# Altium PCB LarixEDUV3b.PcbDoc (part 1 of 2) (continued)
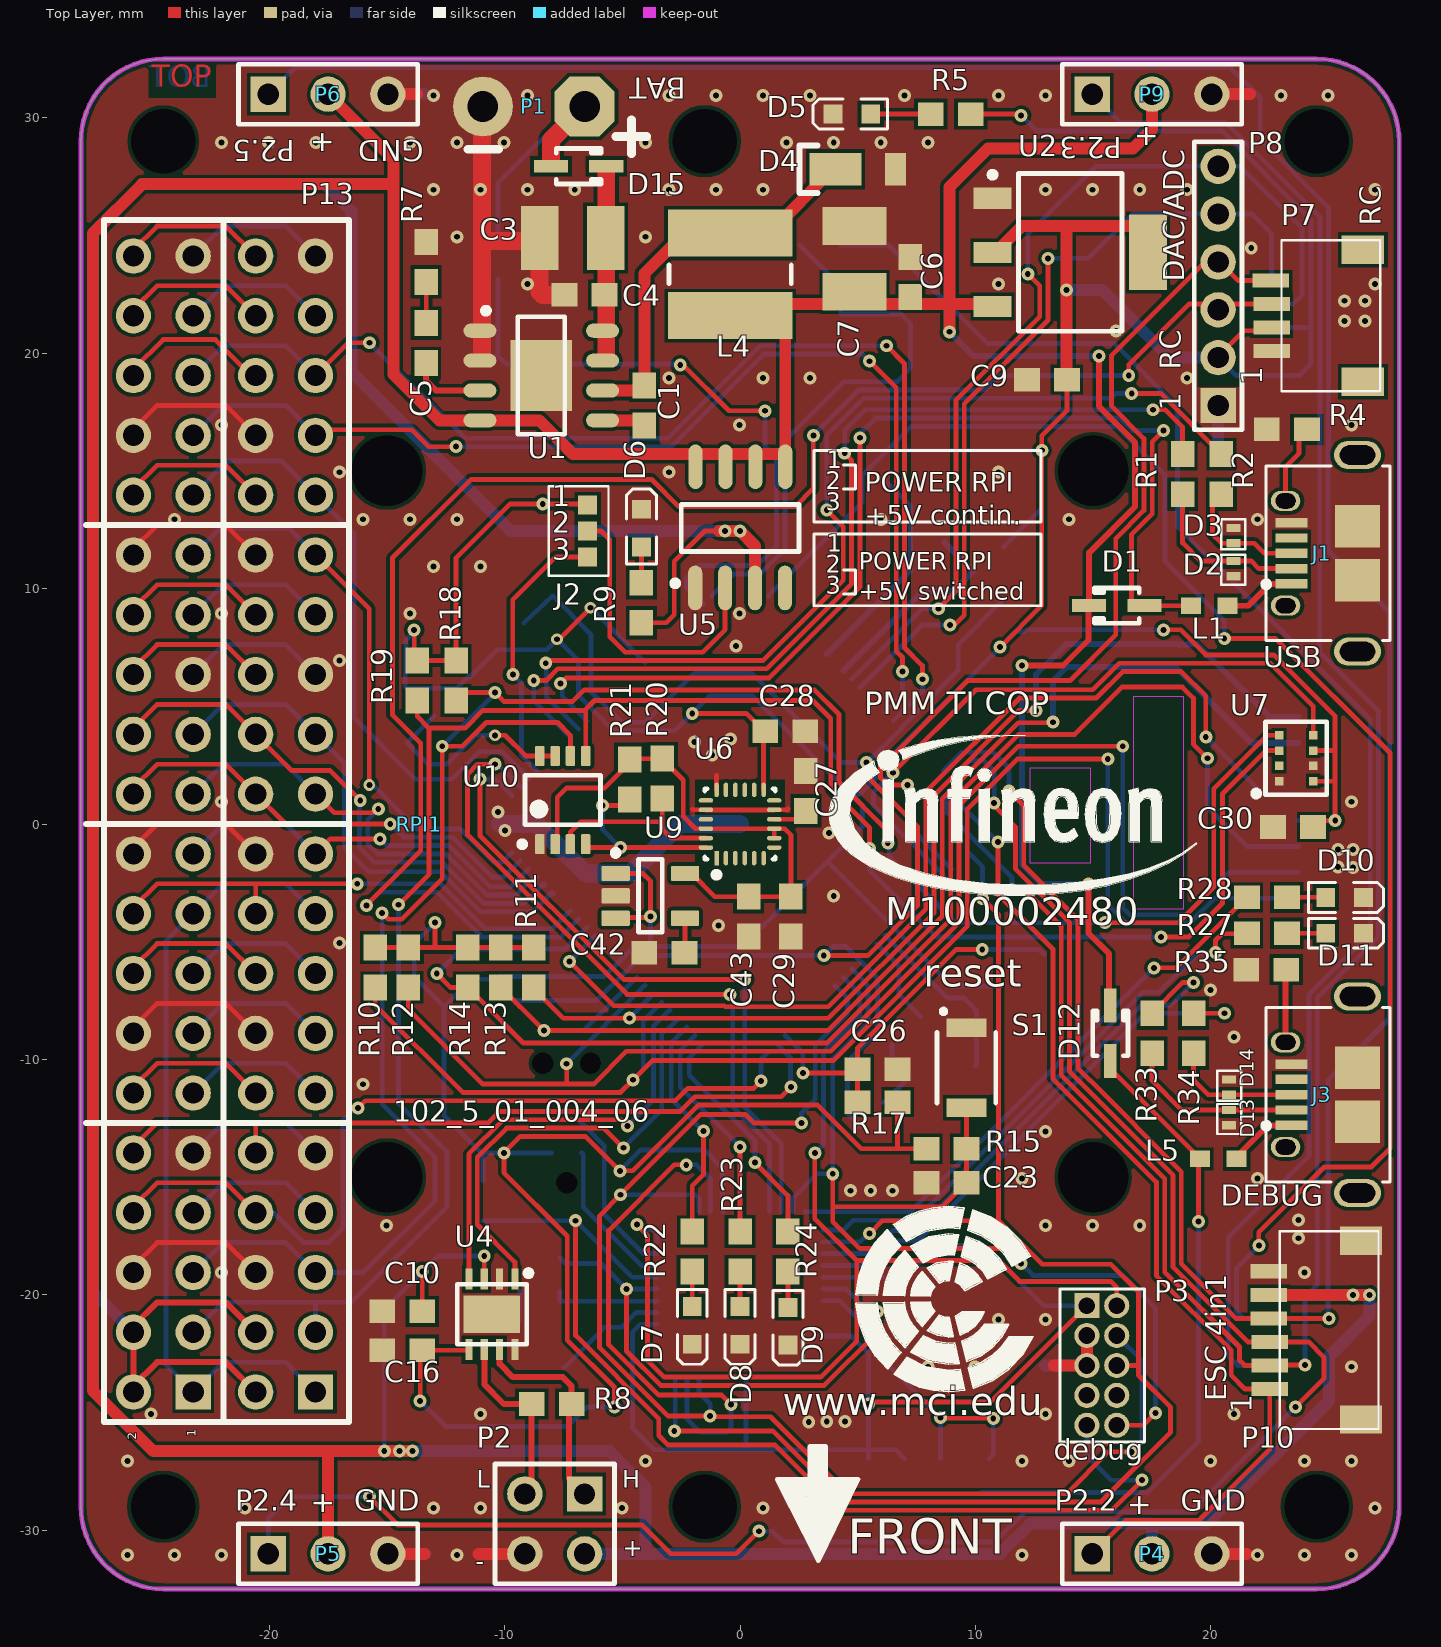
[diagram p0: Top Layer view]
## Footprints (in the part's own frame and the unit in brackets; to place one, negate y for a bottom-side part, rotate by r counter-clockwise, add the part's x,y. Pads: shape width x height; smd on the part's side, far side on the other; paste and mask are expansions set on the pad) (continued)
RPI_ZERO [mm] "RPI Zero / W"
  rect 1.5x1.5 hole 0.9: 1(4.87,21.73)
  round 1.5 hole 0.9: 2(4.87,24.27) 3(7.41,21.73) 4(7.41,24.27) 5(9.95,21.73) 6(9.95,24.27) 7(12.49,21.73) 8(12.49,24.27) 9(15.03,21.73) 10(15.03,24.27) 11(17.57,21.73) 12(17.57,24.27) 13(20.11,21.73) 14(20.11,24.27) 15(22.65,21.73) 16(22.65,24.27) 17(25.19,21.73) 18(25.19,24.27) 19(27.73,21.73) 20(27.73,24.27) 21(30.27,21.73) 22(30.27,24.27) 23(32.81,21.73) 24(32.81,24.27) 25(35.35,21.73) 26(35.35,24.27) 27(37.89,21.73) 28(37.89,24.27) 29(40.43,21.73) 30(40.43,24.27) 31(42.97,21.73) 32(42.97,24.27) 33(45.51,21.73) 34(45.51,24.27) 35(48.05,21.73) 36(48.05,24.27) 37(50.59,21.73) 38(50.59,24.27) 39(53.13,21.73) 40(53.13,24.27)
  round 0 hole 2.75: ""(0,23) ""(0,0) ""(58,0) ""(58,23)
  body extent 3.47,20.62 54.52,25.63, height 8.5
SM04B-SRSS-TB(LF)(SN) [mm]
  rect 0.6x1.55 smd: 1(-1.5,1.922) 2(-0.5,1.922) 4(1.5,1.954)
  rect 0.6x1.555 smd: 3(0.5,1.922)
  rect 1.2x1.8 smd: ""(-2.8,-1.953) ""(2.8,-1.953)
  silkscreen extent -3.2,-2.7 3.2,1.5, body extent -3,-2.7 3,2.25, height 2.9
SM06B-SRSS-TB(LF)(SN) [mm]
  rect 0.6x1.55 smd: 1(0,0) 2(1,0) 4(3,0.032) 5(4,0.032) 6(5,0.032)
  rect 0.6x1.555 smd: 3(2,0)
  rect 1.2x1.8 smd: ""(-1.3,-3.875) ""(6.3,-3.875)
  silkscreen extent -1.7,-4.62 6.7,-0.42, body extent -1.5,-4.6 6.5,0.35, height 2.9
"SMD 0603" [mm]
  rect 0.85x0.7 smd: 1(-0.775,0) 2(0.775,0)
  body extent -0.8,-0.4 0.8,0.4, height 0.79
SO_8 [mm]
  oval 1.9x0.6 smd: 1(-2.545,1.905) 2(-2.545,0.635) 3(-2.545,-0.635) 4(-2.545,-1.905) 5(2.601,-1.92) 6(2.601,-0.65) 7(2.601,0.62) 8(2.601,1.89)
  silkscreen extent -2.47,-2.5 1,2.88, body extent -3.07,-2.44 3.07,2.44, height 1.74
SOD-323 [mm]
  rect 1.45x0.55 smd: 1(1.175,0) 2(-1.175,0)
  silkscreen extent -0.95,-0.75 0.95,0.75
TagConnect_6pol [mm] "Conector ICD en placa"
  round 0.8 smd paste-0.4: 1(-1.27,-0.635) 2(-1.27,0.635) 3(0,-0.635) 4(0,0.635) 5(1.27,-0.635) 6(1.27,0.635)
  round 0.85 hole 0.9 unplated mask+0: ""(-2.54,0) ""(2.54,-1.016) ""(2.54,1.016)
  silkscreen extent -3.54,-1.8 3.5,1.8, body extent -3.54,-1.8 3.5,1.8
TDK_InvenSense_ICM-20948_0 [mm]
  rect 0.612x0.192 smd paste+0 mask+0: 1(-1.45,1)
  oval 0.612x0.192 smd paste+0 mask+0: 2(-1.45,0.6) 3(-1.45,0.2) 4(-1.45,-0.2) 5(-1.45,-0.6) 6(-1.45,-1) 13(1.45,-1) 14(1.45,-0.6) 15(1.45,-0.2) 16(1.45,0.2) 17(1.45,0.6) 18(1.45,1)
  oval 0.192x0.612 smd paste+0 mask+0: 7(-1,-1.45) 8(-0.6,-1.45) 9(-0.2,-1.45) 10(0.2,-1.45) 11(0.6,-1.45) 12(1,-1.45) 19(1,1.45) 20(0.6,1.45) 21(0.2,1.45) 22(-0.2,1.45) 23(-0.6,1.45) 24(-1,1.45)
  silkscreen extent -2.28,-1.5 1.5,1.5, body extent -1.86,-1.86 1.86,1.86, height 0.25
TSLP_2_17 [mm]
  rect 0.6x0.35 smd: 1(0,0.65) 2(0,0)
  silkscreen extent -0.51,-0.25 0.51,1.02
WE_TCP [mm]
  rect 2x5.3 smd: 1(-1.75,0) 2(1.75,0)
  silkscreen extent -0.4,-2.6 0.4,2.6, body extent -2.75,-2.65 2.75,2.66, height 2
WRTBL_2P_508 [mil]
  oct 100x100 hole 51.18: 1(820,-930)
  round 100 hole 51.18: 2(820,-760)

## Part data
C1 C2 C4 C5 C6 C8 C9 C10 C11 C12 C13 C14 C15 C16 C17 C18 C19 C20 C21 C22 C23 C24 C25 C26 C27 C28 C29 C30 C31 C32 C33 C34 C35 C36 C37 C38 C39 C40 C41 C42 C43 C44: library part Cap_129, mounting=SMD, Name=Cap_0603, QR=0, UID=Cap_129
C3 C7: library part Cap_65, Capacity=?F, Voltage=?V, mounting=SMD, Name=Cap_1210, UID=Cap_65
D1 D12 D15: "Silicon AF Schottky Rectifier Diode with Extreme Low VF Drop", PackageDocument=Sep-2000, ComponentLink1Description="Manufacturer Link", ComponentLink1URL=http://www.infineon.com/, ComponentLink2Description=Datasheet, ComponentLink2URL=http://www.infineon.com/upload/Document/cmc_upload/documents/081/715/bat60aseries_1.pdf, DatasheetDocument=Jan-1999, LatestRevisionDate=19-Mar-2004, LatestRevisionNote="Silkscreen size reduced.", PackageReference=SOD-323, Published=21-Mar-2003, Publisher="Altium Limited"
D2 D3 D13 D14: library part DIODE_69, "ESD101-B1-02ELS _E6327", mounting=SMD, Name=ESD, UID=DIODE_69
D4: library part DIODE_68, mounting=SMD, Name=DFLS240L-7, Type=Schottky, UID=DIODE_68
D5 D6 D7 D8 D9 D10 D11: library part DIODE_61, Colour=gruen, mounting=SMD, Name=LED_0603_gruen, Name_Hyperlink=http://at.rs-online.com/web/p/products/6973715P/, QR=0, RS_number=697-3715P, Type=LED, UID=DIODE_61
J1 J3: "WR-COM_USB_Micro Type AB_Horizontal_SMT", Manufacturer="Würth Elektronik eiSos GmbH", ComponentLink1 Description=Manufacturer, ComponentLink1URL=http://www.we-online.de, ComponentLink2 Description=Datasheet, ComponentLink2URL=http://katalog.we-online.de/em/datasheet/629105150921.pdf, Created by="Karrer Zheng", Created Date=10/23/2014, NoPins=5, partNo=629105150921
J2: library part Con_71, mounting=SMD, Name=Jumper_3pol, UID=Con_71
J4: library part Con_76, "Conector par ICD", mounting=SMD, Name=TagConnect_6pol, UID=Con_76
L1 L2 L3 L5: library part "WE-CBF 0603, 74279260", "SMD EMI Suppression Ferrite Beads WE-CBF, Z= 40 Ohm", Manufacturer="Würth Elektronik eiSos GmbH", partNo=74279260, ComponentLink1Description=Manufacturer, ComponentLink1URL=http://www.we-online.de, ComponentLink2Description=Datasheet, ComponentLink2URL=http://www.we-online.de/katalog/media/pdf/74279260.pdf, Created by="Christin Zierenner", Created Date="May 2009", Impedance="40 Ohm"
L4: library part Ind_42, "Inductor", Current=1.72, Inductivity=4u7, ComponentLink1URL=http://at.rs-online.com/web/p/drahtgewickelte-smd-induktivitaten/6170925/, mounting=SMD, Name=IND_4u7_1A72, Name_Hyperlink=http://at.rs-online.com/web/p/drahtgewickelte-smd-induktivitaten/6170925/, QR=0, RS_number=617-0925, UID=Ind_42, Wuerth_number=744042004
P1: library part Con_7, ComponentLink1URL=http://at.rs-online.com/web/search/searchBrowseAction.html?method=getProduct&R=1930586, mounting=THT, Name=WRTBL_2P_508, Name_Hyperlink="Printklemme 5,08mm 2-polig", Pins=2, QR=0, RS_number=193-0586, UID=Con_7
P2: library part Con_45, mounting=THT, Name="Header 2X2", Pins=2X2, QR=0, UID=Con_45
P3: "Header, 5-Pin, Dual row", LatestRevisionDate=17-Jul-2002, LatestRevisionNote="Re-released for DXP Platform.", Publisher="Altium Limited"
P4 P5 P6 P9: library part Con_33, mounting=THT, Name="Header 3", Pins=1X3, QR=0, UID=Con_33
P7 P11 P12: library part Con_80, mounting=SMD, Name=STJ_SH_4pol, UID=Con_80
P8: library part Con_36, mounting=THT, Name="Header 6", Pins=1X6, QR=0, UID=Con_36
P10: library part Con_82, mounting=SMD, Name=STJ_SH_06pol, UID=Con_82
P13: library part Con_86, mounting=THD, Name=Header_20X2, UID=Con_86
Q1 Q2: library part NX3225_2
R1 R2 R3 R4 R5 R6 R7 R8 R9 R10 R11 R12 R13 R14 R15 R16 R17 R18 R19 R20 R21 R22 R23 R24 R25 R26 R27 R28 R29 R30 R31 R32 R33 R34 R35 R36: library part Res_5, mounting=SMD, Name=Res_0603, UID=Res_5
  R5 R9 R10 R11 R12 R13 R14 R17: ComponentLink1URL=#WERT!
RPI1: library part Misc_46, mounting=THT, Name=RPI_Zero, UID=Misc_46
S1: library part Misc_47, ComponentLink1URL=https://at.rs-online.com/web/p/products/419867, mounting=SMD, Name=Pushbutton_B3U-1000P, Name_Hyperlink=https://at.rs-online.com/web/p/products/419867, RS_number=419-867, UID=Misc_47
U1: library part Source_52, mounting=SMD, Name=IFX91041, UID=Source_52
U2: "Voltage Regulator, 4.55 to 15 V Operating, 1000 mA, -40 to 125 degC, PG-SOT223 (SC-73), Reel, Green", Dropout Voltage="1200 mV", Manufacturer=Infineon, Max. Output Current="1000 mA", Max Peak Reflow Temp="260 degC", Output Voltage="3.3 V", Supplier Part Number 1=726-IFX1117MEV33, Typical Quiescent Current="5000 uA", Accuracy="2.0 %", Automotive Qualified=FALSE, ComponentLink1Description="Manufacturer URL", ComponentLink1URL=http://www.infineon.com/, ComponentLink2Description=Datasheet, ComponentLink2URL=http://www.infineon.com/dgdl/IFX1117ME+V33.pdf?folderId=db3a304318f3fe290118f5a433570040&fileId=db3a30432e779412012e9097d1611987, ComponentLink3Description="Package Specification", ComponentLink3URL=http://www.infineon.com/dgdl/SOT223-Package_Overview.pdf?folderId=db3a30431936bc4b0119530470b03c3d&fileId=db3a30431936bc4b0119531d40b93c5c, DatasheetVersion="Rev. 1.0", Green=TRUE, Max Number Reflow=3, Mounting Technology="Surface Mount", MSL=1, PackageDescription="4-Pin Small Outline Transistor Package, 6.5 x 3.5 mm Body, 2.3 mm Pitch", PackageReference="PG-SOT223 (SC-73)", PackageVersion=Apr-08, Packing=Reel, PartNumber="IFX1117ME V33", Regulator Type="Linear->single output", Reset=FALSE, Status Output=FALSE, Supplier 1=Mouser, Supplier 2=Digi-Key, Supplier 3=Digi-Key, Supplier 4=Digi-Key, Supplier Part Number 2="IFX1117ME V33TR-ND", Supplier Part Number 3="IFX1117ME V33CT-ND", Supplier Part Number 4="IFX1117ME V33DKR-ND"
U3: library part IC_116, "XMC4000 Family Microcontroller for Industrial Applications, ARM® Cortex™-M4, 32-bit processor coreFlash 2048 Kbytes,SRAM 352 Kbytes (Temperature Range -40°C to 125°C)", Manufacturer="Infineon Technologies", ManufacturerPartNumber=XMC4700-F100K2048, mounting=SMD, Name=XMC4700-F100K2048, PackageReference=PG-LQFP-100-11, UID=IC_116
U4: library part IC_117, mounting=SMD, Name=IFX1051, UID=IC_117
U5: library part IC_102, ComponentLink1URL=https://at.rs-online.com/web/p/intelligente-leistungsschalter/1107158/?searchTerm=ITS4060S-SJ-N&relevancy-data=636F3D3226696E3D4931384E4B6E6F776E41734D504E266C753D6465266D6D3D6D61746368616C6C7061727469616C26706D3D5E5B5C707B4C7D5C707B4E647D2D2C2F255C2E5D2B, IC_description=https://www.infineon.com/dgdl/Infineon-ITS4060S_SJ_N_01092012S-DS-v01_00-en.pdf?fileId=db3a304339dcf4b1013a0137d230573b, mounting=SMD, Name=ITS4060S_SJ_N, Name_Hyperlink=https://at.rs-online.com/web/p/intelligente-leistungsschalter/1107158/?searchTerm=ITS4060S-SJ-N&relevancy-data=636F3D3226696E3D4931384E4B6E6F776E41734D504E266C753D6465266D6D3D6D61746368616C6C7061727469616C26706D3D5E5B5C707B4C7D5C707B4E647D2D2C2F255C2E5D2B, RS_number=110-7158, UID=IC_102
U7: library part IC_107, "Digital Barometric Pressure Sensor for Portable Devices", Manufacturer="Infineon Technologies", ManufacturerPartNumber=DPS310, mounting=SMD, Name=DPS422, PackageReference=LGA-8, UID=IC_107
U8: "80 MHz XMC4200 MCU with 256 KByte Program Memory, 40 KByte SRAM, 3.3 V, -40 to 125 degC, PG-VQFN-48, Green", Manufacturer=Infineon, A / D input lines (incl. FADC)=8, ComponentLink1Description="Manufacturer URL", ComponentLink1URL=http://www.infineon.com, ComponentLink2Description=Datasheet, ComponentLink2URL=http://www.infineon.com/dgdl/xmc4100_xmc4200_ds_v0.6_2012_11.pdf?folderId=db3a30433580b3710135a47f3eb76c98&fileId=db3a30433afc7e3e013b3cf9b2816573&location=en.Products.Microcontrollers.32-bit_Industrial_Microcontrollers_based_on_ARM__Cortex_-M.32-bit_XMC4000_Industrial_Microcontrollers_ARM__Cortex_-M4.DATASHEET.xmc4100_xmc4200_ds_v0.6_2012_11.pdf, ComponentLink3Description="Package Specification", ComponentLink3URL=http://www.infineon.com/dgdl/PG-VQFN-48-15%2C-19%2C-20%2C-22%2C-24%2C-48%2C-51%2C-52%2C-53%2C-54%2C-55%2C-56%2C-57-Package_Overview.pdf?folderId=db3a304319c6f18c0119e80a8f2559bf&fileId=db3a304319c6f18c011a0b8b18c33200, DatasheetVersion=V0.6, Digital I/O Lines=21, Halogen-free=TRUE, Mounting Technology="Surface Mount", PackageDescription="48-Pin Plastic (Green) Very Thin Profile Quad Flat Non Leaded Package, 7 x 7 mm Body, 0.5 mm Pitch", PackageReference=PG-VQFN-48-53, PackageVersion=V0.6, PartNumber="XMC4200-Q48K256 AB", Program Memory="256.0 KByte", SRAM (incl. Cache)="40.0 KByte", Type of Serial I/O Interfaces="4xSPI, Dual SPI, Quad SPI, UART, LIN, IIC, IIS"
U9: "Single Output Low Noise LDO, 150 mA, Fixed 1.8 V Output, 1.5% Tolerance, 2.2 to 16 V Input, Low IQ, 5-Pin SOT-23 (DBV), -40 to 125 degC, Green (RoHS & no Sb/Br), Tape and Reel", Manufacturer="Texas Instruments", Operating Temperature Range (degC)="-40 to 125", Accuracy (%)=1.5, ComponentLink1Description="Manufacturer URL", ComponentLink1URL=http://www.ti.com/, ComponentLink2Description=Datasheet, ComponentLink2URL=http://www.ti.com/lit/ds/symlink/lp2985-50.pdf, ComponentLink3Description="Package Specification", ComponentLink3URL=http://www.ti.com/litv/pdf/mpds018j, DatasheetVersion=SLVS522N, Fixed Output Options (V)=1.8, Iout (Max) (A)=0.15, Iq (Typ) (mA)=0.85, Mounting Technology="Surface Mount", Output Options="Fixed Output", PackageDescription="5-Pin Plastic Small Outline, Body 2.9 x 1.6 mm, Pitch 0.95 mm", PackageReference=DBV0005A, PackageVersion=4073253-4/L, Packing="Tape and Reel", PartNumber=LP2985-18DBVR, RoHS=TRUE, Vdo (Typ) (mV)=280, Vin (V)="2.2 to 16"
U10: "Dual Bi-Directional I2C-Bus and SMBus Voltage Level-Translator, 0 to 5.5 V, -40 to 85 degC, 8-pin SM8 (DCT), Green (RoHS & no Sb/Br)", 5V Tolerant I/O=Yes, Manufacturer="Texas Instruments", Max Frequency(kHz)=400, On-Chip Power-on-Reset=No, Rating=Catalog, Code_JEDEC=MO-187-DA, ComponentLink1Description=Datasheet, ComponentLink1URL=http://www.ti.com/general/docs/lit/getliterature.tsp?genericPartNumber=PCA9306&fileType=pdf, ComponentLink2Description="Package Specification", ComponentLink2URL=http://www.ti.com/litv/pdf/mpds049b, DatasheetVersion=SCPS113J, Eco-Plan="Green (RoHS & no Sb/Br)", Enable Pin=Yes, fSCLK(Max)(MHz)=400, Function="Voltage Translator", Mounting Technology="Surface Mount", No. of Outputs=2, Open Drain I/O Type=Yes, PackageDescription="8-Pin Thin Small Outline Package 3 x 2.8 mm Body ,0.65 mm Pitch", PackageReference=DCT0008A, PackageVersion="revC, Sep-2002", PartNumber=PCA9306DCTR, SubFamily="I2C Special Function", tpd max(ns)=1.5, Vcc range(V)="0 to 5.5"
X1: library part Misc_48, "CONN MICRO SD CARD PUSH-PUSH R/A", Supplier Part Number 1=101-00660-68-6-1-ND, mounting=SMD, Name=MicroSD_DM3D, Name_Hyperlink=https://at.rs-online.com/web/p/speicher-und-sim-karten-steckverbinder/7388809/, RS_number=738-8809, Supplier 1=Digi-Key, UID=Misc_48

## Free pads (board coordinates)
  round 0 hole 3: ""(-15,-15) ""(-15,15) ""(15,-15) ""(15,15)
  round 0 hole 2.75: ""(24.5,-29) ""(24.5,29)

## Via types
v1: diameter 0.55, hole 0.25, Top Layer to Bottom Layer, tented both sides, 269 vias
v2: diameter 0.5, hole 0.25, Top Layer to Bottom Layer, tented both sides, 4 vias

## Nets (pads, with @x,y where several pads share a name; then routed paths per layer and width w, separated by ;. In a path a pad name is that pad's centre, name@x,y a point inside that pad or via, vN(x,y) a via of type N, cw(c..) or ccw(c..) an arc to the next point about the centre after c; other vN are vias at no path point)
+1V8: C29.1 C43.1 R20.2 R21.2 U6.8 U6.9 U6.22 U9.5 U10.2 | length 23
  Top Layer w0.203: U10.2@-7.857,-0.859 -7.77,-0.772 -7.77,1.134 -7.369,1.535 -5.757,1.535 -4.522,2.77 -3.314,2.77 -2.413,1.869 -2.413,0.319 -1.894,-0.2 U6.22@-1.45,-0.2 U6.9@1.45,-0.2 ; R20.2@-3.599,3.08 R20.2@-3.302,2.782 ; U9.5@-2.335,-2.102 -2.06,-2.102 -1.075,-3.087 C43.1@0.363,-3.087 1.778,-3.087 2.159,-2.706 2.159,-0.454 1.905,-0.2 U6.9@1.45,-0.2 ; U6.8@1.45,-0.6 U6.9@1.45,-0.2
+3V3: C9.2 C16.1 C18.1 C19.1 C20.1 C21.1 C22.1 C28.1 C30.1 C37.2 C38.2 C39.2 C40.2 C41.2 J2.1 J4.1 L2.2 L3.2 P3.1 P7.2 P8.2 P12.3 R5.1 R10.2 R11.2 R12.2 R13.2 R14.2 R15.2 R17.2 R18.2 R19.2 R30.1 R36.2 U2.2 U2.4 U3.11 U3.17 U3.43 U3.60 U3.87 U4.5 U6.13 U7.6 U7.8 U8.5 U8.10 U8.18 U8.28 U8.41 U9.1 U9.3 X1.4 | length 331.9
  Top Layer w0.203: R10.2@-15.494,-5.246 R12.2@-14.097,-5.246 -12.954,-5.246 ; v1(-13.843,8.248) -13.843,7.073 R19.2@-13.716,6.946 R18.2@-12.065,6.946 -12.065,11.303 -9.779,13.589 v1(-8.382,13.589) -6.52,13.589 J2.1@-6.477,13.546 ; v1(-13.589,-24.511) -13.589,-22.44 C16.1@-13.501,-22.352 -11.54,-22.352 U4.5@-11.516,-22.328 ; v1(-12.954,-4.191) -12.954,-5.246 ; R11.2@-8.763,-5.246 R13.2@-10.16,-5.246 R14.2@-11.563,-5.246 -12.954,-5.246 ; v2(-7.773,7.848) -7.687,7.848 v2(-6.35,9.185) ; v1(-5.334,-24.765) -5.334,-23.93 -7.338,-21.926 -7.338,-17.502 -10.033,-14.807 v1(-10.033,-13.97) -9.332,-13.269 -6.57,-13.269 v1(-5.107,-14.732) -4.563,-14.732 -1.769,-11.938 3.302,-11.938 5.157,-13.793 6.731,-13.793 ; U9.3@-5.285,-4.002 -5.252,-3.97 -3.843,-3.97 v1(-3.81,-3.937) -3.81,-2.417 -4.125,-2.102 U9.1@-5.285,-2.102 ; v1(-2.032,4.699) 0.258,4.699 1.02,3.937 C28.1@1.07,3.937 1,3.867 U6.13@1,1.45 ; v1(5.461,-24.638) 5.548,-24.551 10.641,-24.551 P3.1@14.732,-20.46 ; R17.2@6.692,-11.811 6.692,-13.754 6.731,-13.793 ; R15.2@7.913,-13.793 6.731,-13.793 ; R5.1@9.799,30.158 11.879,30.158 v1(11.938,30.099) ; v1(11.049,7.513) 12.818,9.283 v1(12.818,15.875) 12.818,16.487 13.885,17.553 C9.2@13.885,18.646 ; U2.4@17.35,24.175 U2.4@17.35,24.975 ; v1(17.992,8.248) 18.71,8.248 19.775,7.183 22.674,7.183 25.273,4.584 25.273,3.175 ; P8.2@20.309,19.812 20.309,19.877 21.387,20.955 22.443,20.955 P7.2@22.578,21.09 ; C30.1@24.345,-0.127 24.614,0.142 v1@25.273,0.142 ; U7.8@24.347,1.819 25.273,1.819 ; U7.6@24.347,3.119 25.217,3.119 25.273,3.175 ; v1(25.281,0.15) v1@25.273,0.142 ; v1@25.273,0.142 25.273,1.819 ; 25.273,1.819 25.273,3.175
  Top Layer w0.508: U2.2@10.75,24.175 11.972,25.397 13.87,25.397 ; C9.2@13.885,18.646 C9.2@13.885,18.874 13.87,18.889 v1(13.87,22.682) 13.87,25.397 ; U2.4@17.35,24.975 17.35,25.397 13.87,25.397
  Bottom Layer w0.203: v1(-13.843,8.248) -13.843,8.168 -14.19,7.821 -14.19,6.437 -14.225,6.401 -14.225,5.838 R36.2@-14.19,5.802 -14.155,5.767 -12.026,5.767 -11.499,6.293 C22.1@-11.464,6.258 ; v1(-13.589,-24.511) -12.507,-25.593 -7.344,-25.593 -6.516,-24.765 v1(-5.334,-24.765) -4.572,-24.765 ; v1(-12.954,-4.191) -13.843,-5.08 -13.843,-6.486 -12.573,-7.756 ; C22.1@-11.464,6.258 C18.1@-10.321,7.4 -8.221,7.4 v2(-7.773,7.848) -6.858,6.933 -6.858,5.444 U3.11@-6.152,4.738 -5.379,3.965 -2.766,3.965 v1(-2.032,4.699) -1.287,5.444 0.525,5.444 4.699,1.27 ; R30.1@-10.922,-15.152 -10.922,-14.037 -10.989,-13.97 ; J4.1@-8.001,-13.97 v1(-10.033,-13.97) -10.989,-13.97 ; v2(-6.35,9.185) -6.35,9.178 U3.17@-4.031,6.859 ; v1(-5.107,-14.732) -4.218,-13.843 -1.524,-13.843 -0.75,-14.617 -0.75,-15.178 -0.748,-15.179 U8.41@-0.75,-16.475 U8.41@-0.75,-16.475 ; v1(-3.81,-3.937) -3.81,-5.207 ; U8.28@-3.525,-21.25 -4.232,-21.25 -4.572,-21.59 -4.572,-24.765 ; U8.18@0.25,-23.525 0.25,-26.582 ; U8.10@3.525,-21.75 4.732,-21.75 5.461,-22.479 v1(5.461,-24.638) C40.2@5.461,-26.582 ; U8.5@3.525,-19.25 6.997,-19.25 C37.2@7.07,-19.177 8.34,-17.907 10.343,-17.907 12.896,-20.46 P3.1@14.732,-20.46 ; 3.791,-1.67 U3.60@6.505,-4.384 9.007,-6.886 9.508,-6.886 9.514,-6.892 C20.1@11.083,-6.892 ; C40.2@5.461,-26.963 C40.2@5.461,-26.582 ; C39.2@6.985,-26.963 6.604,-26.582 C40.2@5.461,-26.582 ; L2.2@7.152,15.896 7.173,15.875 v1(12.818,15.875) 12.818,13.407 L3.2@11.176,11.764 ; v1(11.938,30.099) 12.595,29.442 20.478,29.442 24.25,25.67 24.25,19.551 23.749,19.05 21.071,19.05 P8.2@20.309,19.812 ; v1(17.992,8.248) 12.185,8.248 C19.1@12.099,8.162 11.697,8.162 v1(11.049,7.513) U3.43@7.212,3.677 7.212,3.675 5.968,2.43 5.968,2.151 5.087,1.27 4.699,1.27 ; P12.3@22.578,21.09 24.192,21.09 ; X1.4@23.725,0.15 v1(25.281,0.15) ; -12.573,-7.756 -11.414,-6.597 -10.615,-6.597 -10.514,-6.699 -10.296,-6.48 -10.293,-6.477 -5.77,-6.477 U3.87@-5.091,-5.798 -4.5,-5.207 -3.81,-5.207 ; -12.573,-7.756 -12.573,-12.386 -10.989,-13.97 ; -4.572,-24.765 -4.572,-25.654 -3.644,-26.582 0.25,-26.582 ; -3.81,-5.207 -2.794,-5.207 -2.794,-5.201 0.104,-5.201 4.847,-0.459 5.201,-0.104 5.201,0.768 4.699,1.27 ; 0.25,-26.582 C40.2@5.461,-26.582
  Bottom Layer w0.508: v1(13.87,22.682) 15.386,22.682 18.256,19.812 P8.2@20.309,19.812
+5V: C6.1 C7.2 C10.2 D1.1 D12.1 L4.2 P2.2 P4.2 P5.2 P6.2 P9.2 P10.5 U1.4 U2.3 U4.3 U5.5 U5.6 U5.7 U5.8 | length 260.1
  Top Layer w0.203: C10.2@-13.501,-20.701 v1(-13.501,-19.011) ; U4.3@-10.866,-19.328 v1(-10.866,-18.354)
  Top Layer w0.254: v1(11.972,6.731) 13.716,6.731 14.8,7.815 14.8,9.248 14.823,9.271 D1.1@15.367,9.271 ; v1(14.8,-2.54) 14.8,-4.64 15.679,-5.519 D12.1@15.679,-7.403 ; D1.1@14.827,9.275 14.827,11.528 16.777,13.478 16.777,16.216 15.24,17.753 v1(15.24,19.888)
  Top Layer w0.508: P5.2@-17.5,-31 -17.5,-26.638 ; P6.2@-17.5,31 -14.729,28.229 -14.729,19.102 -12.773,17.145 U1.4@-11.05,17.145 ; -14.828,27.178 -25.4,27.178 -27.494,25.084 -27.494,-24.068 -24.924,-26.638 -17.5,-26.638 ; v1(-13.91,-26.638) v1(-14.474,-26.638) v1(-15.113,-26.638) -17.5,-26.638 ; U1.4@-10.691,17.145 -8.532,17.145 -7.106,15.719 U5.5@1.92,15.719 ; U5.5@1.92,15.748 1.92,22.098 8.89,22.098 ; v1(8.89,20.908) 8.89,22.098 ; U2.3@10.75,21.875 10.527,22.098 8.89,22.098 ; P9.2@17.5,31 17.5,29.502 16.7,28.702 10.541,28.702 8.89,27.051 8.89,22.098 ; P10.5@22.468,-20 v1(26.035,-20) v1(26.731,-20)
  Bottom Layer w0.203: v1(-15.113,-26.638) -15.113,-20.623 v1(-13.501,-19.011) -12.844,-18.354 v1(-10.866,-18.354)
  Bottom Layer w0.254: v1(8.89,20.908) 9.911,19.888 v1(15.24,19.888) ; v1(11.972,6.731) 11.972,1.635 11.982,1.626 11.982,1.168 11.972,1.159 11.972,-1.713 12.799,-2.54 v1(14.8,-2.54)
  Bottom Layer w0.508: v1(-15.113,-26.638) v1(-14.474,-26.638) v1(-13.91,-26.638) -5.551,-26.638 -4.009,-28.18 -4.009,-31 ; P2.2@-6.604,-31 -4.009,-31 ; P4.2@17.5,-31 17.5,-29.744 19.786,-29.744 25.019,-24.511 25.019,-22.621 26.731,-20.909 v1(26.731,-20) v1(26.035,-20) ; 17.5,-29.718 12.319,-29.718 11.037,-31 -4.009,-31
GND: C2.1 C3.1 C4.2 C6.2 C7.1 C8.2 C9.1 C10.1 C11.2 C12.2 C13.2 C14.2 C15.2 C16.2 C17.1 C18.2 C19.2 C20.2 C21.2 C22.2 C23.2 C24.1 C25.2 C26.2 C27.1 C28.2 C29.2 C30.2 C31.2 C32.1 C33.1 C34.1 C35.1 C36.1 C37.1 C38.1 C39.1 C40.1 C41.1 C42.2 C43.2 C44.2 D2.1 D3.1 D4.1 D5.2 D6.2 D7.2 D8.2 D9.2 D10.2 D11.2 D13.1 D14.1 J1.5 J1.Z4 J1.Z5 J3.5 J3.Z4 J3.Z5 J4.3 J4.5 P1.2 P2.4 P3.3 P3.5 P4.3 P5.3 P6.3 P7.1 P8.1 P9.3 P10. P10.6 P11. P11.1 P11.3 P12. P12.4 P13.6 P13.9 P13.14 P13.20 P13.25 P13.30 P13.34 P13.39 R4.1 R6.2 R7.1 R26.1 R32.2 R35.1 RPI1.6 RPI1.9 RPI1.14 RPI1.20 RPI1.25 RPI1.30 RPI1.34 RPI1.39 S1.1 U1.1 U1.2 U1.9 U2.1 U3.32 U3.34 U3.59 U3.63 U3.101 U4.2 U4.8 U4.9 U5.1 U6.11 U6.18 U6.20 U7.1 U7.7 U8.11 U8.12 U8.13 U8.14 U8.15 U8.16 U8.17 U8.19 U8.20 U8.27 U8.49 U9.2 U10.1 X1.6 X1.GND X1.SW2 | length 106
  Top Layer w0.203: RPI1.6@-25.77,-19.05 -25.77,-18.785 -24.765,-17.78 -21.846,-17.78 P13.6@-20.576,-19.05 ; RPI1.14@-25.77,-8.89 -25.77,-8.625 -24.765,-7.62 -21.846,-7.62 P13.14@-20.576,-8.89 ; RPI1.20@-25.77,-1.27 -25.77,-1.005 -24.765,0 -21.846,0 P13.20@-20.576,-1.27 ; RPI1.30@-25.77,11.43 -25.77,11.695 -24.765,12.7 -21.846,12.7 P13.30@-20.576,11.43 ; RPI1.34@-25.77,16.51 -25.77,16.775 -24.765,17.78 -21.846,17.78 P13.34@-20.576,16.51 ; -2.015,0.624 -1.997,0.605 -1.456,0.605 U6.20@-1.45,0.6 U6.11@1.45,0.6 1.456,0.605 2.011,0.605 2.041,0.635 ; U6.18@-1,1.45 -1,2.057
  Top Layer w0.508: P5.3@-14.96,-31 -13.406,-31 ; P6.3@-14.96,31 -13.718,31 ; -11.106,-31 P2.4@-9.144,-31 ; 13.335,-23 P3.5@14.732,-23 P3.3@14.732,-21.73 ; P4.3@20.04,-31 21.514,-31 ; P9.3@20.04,31 21.67,31
  Top Layer w0.762: -10.968,20.066 -10.968,24.765 ; P1.2@-10.968,30.48 -10.968,24.765 ; C4.2@-7.454,22.479 -8.385,22.479 -8.512,22.606 C3.1@-8.512,24.892 -8.639,24.765 -10.968,24.765
  Bottom Layer w0.203: RPI1.9@-23.23,-13.97 -21.96,-12.7 -19.306,-12.7 P13.9@-18.036,-13.97 ; RPI1.25@-23.23,6.35 -21.96,7.62 -19.306,7.62 P13.25@-18.036,6.35 ; RPI1.39@-23.23,24.13 -21.96,25.4 -19.306,25.4 P13.39@-18.036,24.13
  Bottom Layer w0.508: P5.3@-14.96,-31 -13.358,-31 ; P6.3@-14.96,31 -13.408,31 ; -10.922,-31 P2.4@-9.144,-31 ; 12.954,-23 P3.5@14.732,-23 P3.3@14.732,-21.73 ; P4.3@20.04,-31 21.526,-31 ; 20.309,15.414 P8.1@20.309,17.78
  Bottom Layer w0.762: -10.189,0 -8.655,0 -6.553,-2.102 -4.649,-2.102 -2.547,0 U3.101@0,0
  other v1: -26.022,-31.056 -24.022,-31.056 -22.022,-31.056 -12.022,-31.056 11.978,-31.056 21.978,-31.056 23.978,-31.056 25.978,-31.056 -21.022,-29.056 -13.022,-29.056 -11.022,-29.056 -5.022,-29.056 0.978,-29.056 26.978,-29.056 -26.022,-27.056 -4.022,-27.056 11.978,-27.056 13.978,-27.056 19.978,-27.056 23.978,-27.056 25.978,-27.056 2.918,-25.404 3.683,-25.377 4.454,-25.377 -25.022,-25.056 -11.022,-25.056 12.978,-25.056 20.978,-25.056 7.978,-23.056 9.978,-23.056 25.978,-23.056 10.978,-21.056 12.978,-21.056 -22.022,-19.056 23.978,-19.056 23.725,-17.596 -15.022,-17.056 12.978,-17.056 14.978,-17.056 16.978,-17.056 23.725,-16.826 4.699,-15.577 5.549,-15.577 6.471,-15.577 11.978,-15.056 21.978,-15.056 12.978,-13.056 -16.022,-11.056 20.978,-9.056 19.978,-7.056 -17.022,-5.056 -0.914,-4.318 3.978,-3.056 26.035,-1.853 25.396,-1.828 25.396,-1.084 26.035,-1.084 3.771,-0.381 -9.986,-0.284 -10.289,0.508 -22.022,0.944 25.978,0.944 -1.181,2.923 -1.934,3.482 -0.4,3.61 -17.022,6.944 -0.176,7.567 -22.022,8.944 -14.022,8.944 -0.022,8.944 -13.022,10.944 -11.022,10.944 -24.022,12.944 -16.022,12.944 -14.022,12.944 -12.022,12.944 5.978,12.944 13.978,12.944 21.978,12.944 -17.022,14.944 -3.022,14.944 10.978,14.944 -22.022,16.944 -0.022,16.944 25.978,16.944 -3.022,18.944 0.978,18.944 2.978,18.944 18.978,18.944 15.978,20.944 25.681,21.374 26.543,21.374 25.681,22.225 26.543,22.225 -9.022,22.944 10.978,22.944 26.978,22.944 21.714,24.463 -12.022,24.944 -4.022,24.944 -13.022,26.944 -11.022,26.944 -9.022,26.944 -7.022,26.944 -3.022,26.944 -1.022,26.944 0.978,26.944 12.978,26.944 14.978,26.944 16.978,26.944 18.978,26.944 26.978,26.944 -22.022,28.944 -20.022,28.944 -18.022,28.944 -14.022,28.944 -12.022,28.944 -10.022,28.944 -4.022,28.944 1.978,28.944 3.978,28.944 5.978,28.944 7.978,28.944 -13.022,30.944 -9.022,30.944 -3.022,30.944 -1.022,30.944 0.978,30.944 2.978,30.944 6.978,30.944 10.978,30.944 12.978,30.944 22.978,30.944 24.978,30.944
NetC1_1: C1.1 U1.5 | length 1.9
  Top Layer w0.508: U1.5@-5.842,17.145 -4.279,17.145 C1.1@-4.064,16.93
NetC1_2: C1.2 D4.2 L4.1 U1.6 | length 16.3
  Top Layer w0.508: U1.6@-5.842,18.415 -4.279,18.415 C1.2@-4.064,18.63 ; C1.2@-4.064,18.796 -4.064,23.375 -2.314,25.125 1.256,25.125 D4.2@3.944,27.813
NetC2_2: C2.2 L3.1 U3.35 | length 9
  Bottom Layer w0.254: U3.35@4.384,6.505 7.785,9.906 9.079,9.906 9.907,10.734 C2.2@8.67,11.972
NetC3_2: C3.2 C4.1 D15.1 U1.7 U1.8 | length 8.2
  Top Layer w0.762: C3.2@-6.096,25.397 C3.2@-5.842,25.651 ; U1.7@-5.684,19.812 -5.684,22.479 D15.1@-5.684,27.686
NetC5_1: C5.1 U1.3 | length 3.2
  Top Layer w0.254: C5.1@-13.335,19.576 -13.335,18.84 -12.91,18.415 U1.3@-11.05,18.415
NetC5_2: C5.2 R7.2 | length 1.8
  Top Layer w0.203: C5.2@-13.335,21.276 R7.2@-13.335,23.026
NetC8_1: C8.1 L2.1 U3.33 | length 9.4
  Bottom Layer w0.203: L2.1@6.056,14.692 7.239,13.509 7.239,10.775
  Bottom Layer w0.254: U3.33@3.677,7.212 7.239,10.775
NetC11_1: C11.1 C12.1 C13.1 C14.1 C15.1 U3.12 U3.42 U3.64 U3.86 | length 66.1
  Top Layer w0.203: v1(3.556,-5.588) 5.417,-5.588 7.534,-3.471 7.534,-0.105 5.392,2.036 5.392,2.596 v1(5.372,2.616)
  Bottom Layer w0.203: C14.1@-9.559,-7.493 C14.1@-9.305,-7.493 -6.079,-7.493 U3.86@-4.738,-6.152 -4.174,-5.588 v1(3.556,-5.588) 3.937,-5.207 4.5,-5.207 U3.64@5.091,-5.798 5.842,-6.549 5.842,-8.797 4.565,-10.074 4.565,-12.312 C13.1@5.114,-12.861 ; C11.1@-9.178,8.543 -7.966,9.698 -6.333,8.065 -6.333,5.626 U3.12@-5.798,5.091 -5.025,4.318 -4.03,4.318 -1.946,6.401 0.491,6.401 4.276,2.616 5.408,2.616 6.822,4.031 U3.42@6.859,4.031 6.859,4.109 9.271,6.521 9.271,7.62 C12.1@11.083,9.432
NetC17_2: C17.2 R3.1 R6.1 U3.24 | length 27.4
  Top Layer w0.203: v1(-2.54,19.492) -2.408,19.492 -0.47,17.553 v1(1.059,17.553)
  Bottom Layer w0.203: R3.1@-10.287,23.153 -10.287,21.336 -10.287,19.978 C17.2@-10.326,19.939 -9.928,19.541 -2.589,19.541 v1(-2.54,19.492) ; U3.24@-1.556,9.334 -2.276,10.054 -2.276,10.453 -1.753,10.976 0.718,10.976 1.552,11.81 1.552,15.533 1.059,16.026 v1(1.059,17.553)